# Altium PCB LimeSDR-XTRX_1v0.PcbDoc (part 5 of 8)
Units mm, origin at the board's own origin, x right, y up, seen from the top; angles counter-clockwise.
Board outline 50.8 x 29.7 mm, 8 copper layers (Top, L2, L3, L4, L5, L6, L7, Bottom), stack 0.925 mm thick; 538 components, 380 nets, 2137 pads, 896 vias.
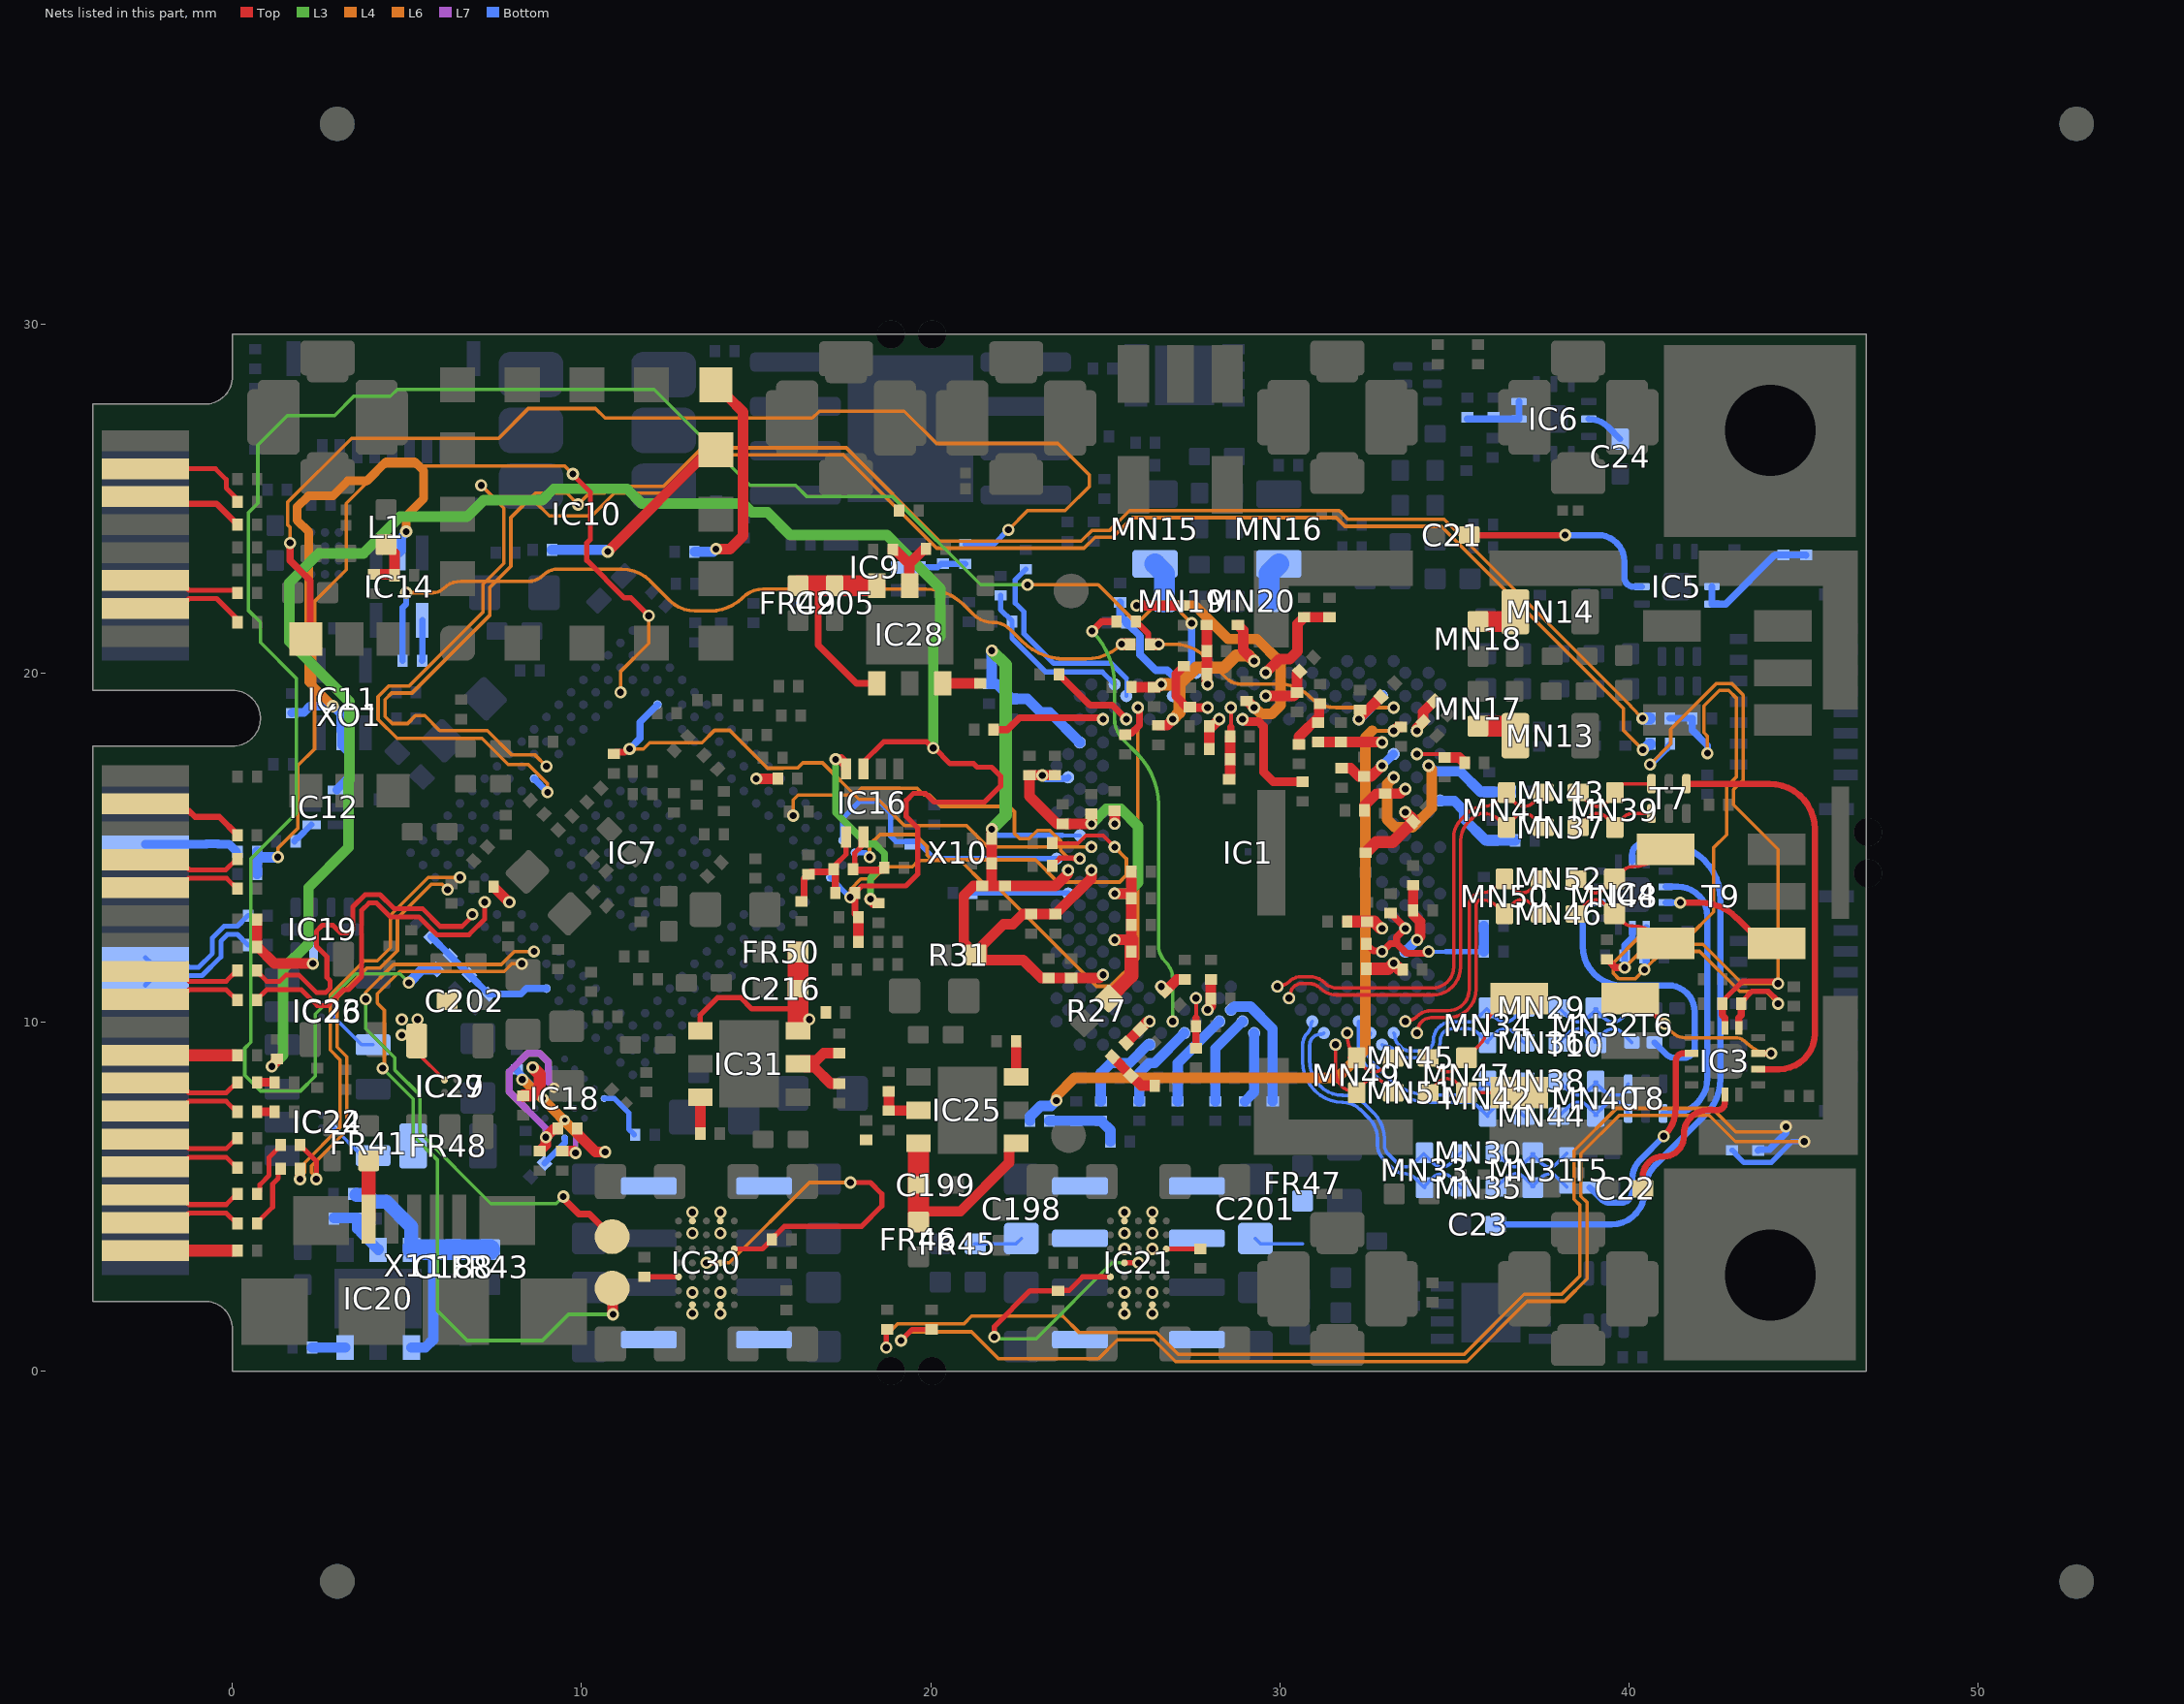
[diagram p11: the nets of this part, all layers, seen from the top]

## Via types
v1: diameter 0.35, hole 0.2, Top to Bottom, tented both sides, 748 vias
v2: diameter 0.35, hole 0.2, L5 to Bottom, tented both sides, 105 vias
v3: diameter 0.4, hole 0.2, Top to Bottom, tented both sides, 26 vias
v4: diameter 0.3, hole 0.15, L7 to Bottom, tented both sides, 13 vias
v5: diameter 0.5, hole 0.2, Top to Bottom, tented both sides, 4 vias

## Nets (pads, with @x,y where several pads share a name; then routed paths per layer and width w, separated by ;. In a path a pad name is that pad's centre, name@x,y a point inside that pad or via, vN(x,y) a via of type N, cw(c..) or ccw(c..) an arc to the next point about the centre after c; other vN are vias at no path point) (continued)
LMS_RESET: IC1.E27 IC7.U19 R6.1 | length 19.7
  Top w0.2: R6.1@25.575,18.23 25.625,18.28 25.755,18.28 25.978,18.503 25.978,18.86 25.965,18.873 25.965,18.979 v1(25.936,19.008)
  L6 w0.1: v2(17.696,13.571) 17.696,13.796 18,14.1 18.368,14.1 18.718,14.45 19.475,14.45 19.65,14.625 20.85,14.625 21.55,13.925 21.85,13.925 24.751,11.024 25.149,11.024 25.936,11.811 v1(25.936,19.008)
  Bottom w0.15: IC7.U19@17.124,14.143 v2(17.696,13.571)
LMS_RXEN: IC1.V34 IC7.W18 R8.1 | length 8
  Bottom w0.15: IC7.W18@17.477,15.204 17.477,15.827 17.975,16.325 18.525,16.325 18.85,16 18.85,15.325 19.01,15.165 19.622,15.165 20.108,14.679 IC1.V34@23.605,14.679
LMS_TSTAO: IC1.B22 R49.2 | length 59.7
  L3 w0.1: 0.825,26.625 0.725,26.525 0.725,24.86 0.45,24.585 0.45,21.8 0.8,21.45 0.8,20.875 1.825,19.85 1.825,15.975 0.525,14.675 0.525,9.425 0.35,9.25 0.35,8.475 0.8,8.025 1.95,8.025 2.375,8.45 2.375,10.225 3.525,11.375 4.8,11.375 v1(5.05,11.125) ; 0.825,26.625 1.575,27.375 2.925,27.375 3.475,27.925 4.525,27.925 4.725,28.125 12.075,28.125 14.825,25.375 16.133,25.375 16.458,25.05 18.907,25.05 21.432,22.525 v1(22.775,22.525)
  L6 w0.1: v1(22.775,22.525) 24.8,22.525 25.775,21.55 26.043,21.55 26.388,21.895 27.005,21.895 v2(27.475,21.425)
  Bottom w0.2: v2(27.475,21.425) 27.475,20.134 IC1.B22@27.601,20.007
  Bottom w0.3: v1(5.05,11.125) 5.427,11.502 R49.2@5.841,11.502
LMS_TX_CLK: IC1.E5 R1.1 R61.1 | length 8.4
  Top w0.18: R1.1@25.88,21.475 25.88,21.45 25.94,21.39 25.965,21.39 26.232,21.123 26.232,20.873 R61.1@26.28,20.825
  Top w0.35: R61.1@26.305,20.825 v1(26.53,20.825)
  L6 w0.1: v1(26.53,20.825) 26.971,20.825 cw(c26.971,19.547) 27.874,20.451 28.475,19.85 ccw(c28.88,20.255) 28.88,19.682 29.988,19.682 cw(c29.988,18.463) 30.85,19.325 ccw(c31.615,20.09) 31.615,19.008 v1(33.263,19.008)
LMS_TXEN: IC1.U29 IC7.W19 R7.1 | length 12.1
  Top w0.11: R7.1@23.48,15.15 R7.1@23.48,15.125 24.225,15.125 24.448,15.348 24.934,15.348 v1(25.27,15.012)
  L4 w0.11: v1(18.251,14.725) 18.251,15.076 18.55,15.375 19.55,15.375 19.9,15.025 19.9,14.781 20.031,14.65 23.003,14.65 23.637,14.016 25.407,14.016 25.6,14.209 25.6,14.682 v1(25.27,15.012)
  Bottom w0.15: IC7.W19@17.831,14.85 18.126,14.85 v1(18.251,14.725)
LMS_TXNRX1: IC1.V32 IC7.V15 R5.2 | length 11.3
  Top w0.15: R5.2@23.48,14.475 23.48,14.5 23.555,14.575 23.58,14.575 23.701,14.696 24.083,14.696 24.1,14.679 v1(24.271,14.679) v1@24.254,14.696
  L6 w0.1: v2(16.063,15.911) 16.063,16.363 16.2,16.5 17.809,16.5 18.009,16.7 19.61,16.7 19.81,16.5 19.975,16.5 20.3,16.175 22.25,16.175 22.4,16.025 22.4,15.4 22.55,15.25 22.818,15.25 23.059,15.491 23.416,15.491 23.731,15.176 23.731,14.907 23.959,14.679 v1(24.271,14.679)
LMS_TXNRX2: IC1.U31 IC7.U5 R15.2 | length 17.1
  Top w0.15: v1@24.587,15.029 v1(24.604,15.012)
  Top w0.2: R15.2@10.925,17.68 10.975,17.73 11.239,17.73 11.334,17.825 v1(11.375,17.825)
  L4 w0.1: v1(11.375,17.825) 11.775,17.825 11.95,18 13.45,18 13.807,18.357 14.243,18.357 15.328,17.272 15.763,17.272 15.766,17.275 16.19,17.275 16.34,17.425 16.9,17.425 17.95,16.375 18.5,16.375 19.25,15.625 21.025,15.625 21.638,15.012 v1(24.604,15.012)
  Bottom w0.2: v1(11.375,17.825) 11.675,18.125 11.675,18.594 IC7.U5@12.174,19.093
M0: IC7.V12 R42.2 | length 0.6
  Top w0.3: v1(15.002,16.971) R42.2@15.62,16.971
MGTRREF_216: IC7.C7 R40.2 | length 0.6
  Top w0.3: R40.2@7.48,13.875 7.48,13.85 7.505,13.85 7.919,13.436 v1(7.931,13.436)
NetC2_2: C2.2 IC1.C29 R10.1 | length 4.8
  Bottom w0.15: R10.1@22,22.22 22,21.817 22.33,21.487 C2.2@22.33,21.475 22.33,20.995 23.3,20.025 24.92,20.025 IC1.C29@25.27,19.674
NetC21_2: C21.2 IC5.2 | length 6
  Top w0.18: C21.2@35.425,23.95 v1(38.175,23.95)
  Bottom w0.18: v1(38.175,23.95) 39.109,23.95 cw(c39.109,23.184) 39.875,23.184 39.875,22.725 ccw(c40.125,22.725) 40.125,22.475 IC5.2@40.375,22.475
NetC22_2: C22.2 IC3.13 | length 4.2
  Top w0.18: C22.2@40.4,5.225 40.4,5.575 cw(c40.975,5.575) 40.975,6.15 41,6.15 ccw(c41,6.725) 41.575,6.725 41.575,6.787 cw(c42.262,6.787) 42.262,7.475 42.538,7.475 ccw(c42.538,7.687) 42.75,7.687 IC3.13@42.75,7.922
NetC23_2: C23.2 IC4.13 | length 17.8
  Bottom w0.18: C23.2@36.177,4.2 39.5,4.2 ccw(c39.5,5.15) 40.392,4.822 ccw(c39.5,5.15) 40.45,5.15 cw(c41.536,5.15) 40.768,5.918 42.2,7.35 ccw(c41.176,8.375) 42.625,8.375 42.625,13.514 ccw(c41.039,13.514) 41.039,15.1 40.375,15.1 ccw(c40.375,14.825) 40.1,14.825 IC4.13@40.1,14.603
NetC24_2: C24.2 IC6.2 | length 1.1
  Bottom w0.18: IC6.2@38.85,27.275 cw(c38.85,26.49) 39.405,27.045 C24.2@39.75,26.7
NetC27_1: C27.1 FR1.2 IC5.8 IC5.9 | length 3.8
  Bottom w0.2: IC5.8@42.375,22.475 IC5.9@42.375,21.975 42.775,21.975 44.18,23.38 C27.1@44.425,23.38 45.065,23.38 FR1.2@45.07,23.375
NetC28_1: C28.1 FR2.2 IC6.8 IC6.9 | length 2
  Bottom w0.2: FR2.2@35.375,27.275 IC6.8@36.85,27.275 IC6.9@36.85,27.775
NetC35_1: C35.1 C36.1 C42.1 C43.1 C44.1 C45.1 C46.1 C47.1 IC1.AA29 IC1.AE29 IC1.L33 IC1.R31 R27.2 | length 13.4
  Top w0.3: C43.1@23.564,17.069 C42.1@22.83,17.069 22.83,16.468 23.62,15.678 v1(24.604,15.678) C35.1@24.604,15.97 ; v1(25.27,13.68) 25.747,13.68 C46.1@25.747,14.31 ; v1@25.299,12.338 25.294,12.338 25.28,12.352 25.28,12.358 25.747,12.358 C44.1@25.747,12.785 C47.1@25.747,13.54
  Top w0.4: R27.2@25.1,10.675 25.747,11.322 C45.1@25.747,12.015 25.747,12.358
  L3 w0.3: v1(24.604,15.678) 25.029,16.103 25.447,16.103 25.942,15.607 25.942,13.992 25.63,13.68 v1(25.27,13.68)
  Bottom w0.2: v1(23.197,17.065) 23.294,16.968 23.79,16.968 23.804,16.981 23.91,16.981 IC1.L33@23.938,17.01
  other v1: 25.27,12.348
NetC37_1: C37.1 C38.1 C39.1 FR7.1 IC1.A17 IC1.C25 IC1.F24 | length 6.8
  Top w0.3: FR7.1@25.752,19.595 C39.1@26.397,19.595 26.51,19.595 26.589,19.674 v1(26.602,19.674) ; C37.1@26.524,18.501 26.774,18.501 26.935,18.662 v1(26.935,18.675) ; C38.1@28.8,21.375 28.95,21.225 28.95,20.657 v1(29.266,20.34)
  L4 w0.35: v1(26.602,19.674) 27.125,19.674 ; v1(26.935,18.675) 27.125,18.865 27.125,19.674 ; v1(29.266,20.34) 29.107,20.5 28.75,20.5 28.4,20.15 27.601,20.15 27.125,19.674
NetC40_2: C40.2 FR6.1 IC1.M4 | length 1.5
  Top w0.3: FR6.1@32.427,16.065 32.427,16.199 32.773,16.545 C40.2@33.022,16.545 33.45,16.545 33.582,16.677 v1(33.596,16.677)
NetC41_1: C41.1 FR5.1 IC1.AL21 | length 0.9
  Top w0.3: v1(27.934,10.35) 27.934,10.364 28.026,10.456 C41.1@28.026,10.675 FR5.1@28.025,11.22 FR5.1@28.025,11.22
NetC48_1: C48.1 IC1.G5 R28.1 | length 20.7
  Top w0.3: v1(33.263,18.342) 33.276,18.342 33.389,18.455 C48.1@33.475,18.455
  L4 w0.11: 32.658,18.342 v1(33.263,18.342)
  L4 w0.3: v1(23.6,7.75) 23.6,7.875 24.125,8.4 31.65,8.4 32.45,9.2 32.45,18.15 32.65,18.35
  Bottom w0.3: R28.1@22.84,7.171 22.84,7.289 23.146,7.596 23.446,7.596 v1(23.6,7.75)
NetC49_1: C49.1 FR10.1 IC1.P4 | length 2.1
  Top w0.35: FR10.1@32.484,14.875 32.759,15.15 33.232,15.15 C49.1@33.824,15.742 33.824,15.782 v1(33.596,16.011)
NetC50_1: C50.1 FR21.1 IC1.D6 IC1.F8 | length 1.8
  Top w0.3: v1(32.264,18.675) 32.264,18.681 FR21.1@32.899,19.317
  Bottom w0.3: v1(32.264,18.675) IC1.D6@32.93,19.341
NetC51_1: C51.1 FR20.1 IC1.B16 | length 2.9
  Top w0.3: v1(29.599,20.007) 29.992,20.4 30.288,20.4 30.509,20.621 30.509,21.404 C51.1@30.7,21.595 FR20.1@31.425,21.595
NetC52_1: C52.1 C53.1 FR19.1 IC1.E19 | length 2
  Top w0.11: 28.6,18.45 v1(28.6,19.008)
  Top w0.2: C52.1@28.6,18.155 28.6,18.18 28.6,18.45
  Top w0.3: FR19.1@28.575,17.055 28.575,17.628 C52.1@28.575,18.155
NetC54_2: C54.2 FR18.1 IC1.F20 | length 1
  Top w0.3: FR18.1@27.98,17.825 C54.2@27.98,18.475 28.067,18.475 v1(28.267,18.675)
NetC55_1: C55.1 FR17.1 IC1.AJ25 | length 0.7
  Top w0.3: C55.1@26.724,10.888 27.056,11.22 FR17.1@27.275,11.22
  other v1: 26.602,11.016
NetC56_1: C56.1 IC1.AP26 R29.1 | length 2.5
  Bottom w0.3: R29.1@24.875,7.73 C56.1@24.875,8.4 24.875,8.539 25.161,8.825 25.696,8.825 26.212,9.341 26.26,9.341 IC1.AP26@26.269,9.351
NetC57_1: C57.1 FR15.1 IC1.AN23 | length 2.6
  Bottom w0.3: FR15.1@25.97,7.73 25.975,7.73 C57.1@25.975,8.4 25.975,8.539 26.261,8.825 26.409,8.825 IC1.AN23@27.268,9.684
NetC58_1: C58.1 FR14.1 IC1.AM20 | length 2.8
  Bottom w0.3: FR14.1@27.075,7.73 C58.1@27.075,8.4 27.075,8.825 IC1.AM20@28.267,10.017
NetC59_1: C59.1 FR13.1 IC1.AL19 | length 3.6
  Bottom w0.3: IC1.AL19@28.6,10.35 28.614,10.35 28.706,10.442 29.158,10.442 29.795,9.805 C59.1@29.795,8.4 FR13.1@29.795,7.73
NetC60_1: C60.1 FR12.1 IC1.AG5 | length 1.1
  Top w0.35: FR12.1@32.53,11.525 33.105,11.525 v1(33.263,11.682) C60.1@33.445,11.5
NetC61_2: C61.2 FR11.1 IC1.AD6 | length 1.1
  Top w0.35: FR11.1@31.955,12.875 32.706,12.875 32.9,12.681 v1(32.93,12.681)
NetC62_1: C62.1 FR9.1 IC1.J3 | length 1.4
  Top w0.11: v1(33.929,17.676) 34.629,17.676 C62.1@34.63,17.675
  Top w0.3: C62.1@34.725,17.58 35.14,17.58 35.27,17.45 35.295,17.45 FR9.1@35.295,17.425
NetC63_2: C63.2 FR8.1 IC1.J5 IC1.K6 | length 1.9
  Top w0.3: FR8.1@31.772,17.27 32.03,17.27 32.265,17.035 C63.2@32.422,17.035 32.621,17.035 v1(32.93,17.343)
  Bottom w0.25: v1(32.93,17.343) IC1.J5@33.263,17.676
NetC64_2: C64.2 FR16.1 R28.2 R29.2 | length 2.2
  Bottom w0.3: R28.2@23.4,7.171 R28.2@23.425,7.171 ; R28.2@23.426,7.17 C64.2@24.175,7.17 R29.2@24.875,7.17 24.9,7.17 24.9,7.145 25.145,6.9 FR16.1@25.145,6.575
NetC65_1: C65.1 FR22.1 IC1.K2 IC1.L5 | length 6.8
  L4 w0.3: v1(33.263,17.01) 33.075,16.823 33.075,15.8 33.3,15.575 33.8,15.575 34.354,16.129 34.354,17.238 34.262,17.33 v1(34.262,17.343)
  Bottom w0.3: v1(34.262,17.343) 34.422,17.183 35.167,17.183 35.755,16.595 C65.1@36,16.595 FR22.1@36.625,16.595
NetC66_1: C66.1 C67.1 FR25.1 IC1.C21 | length 1.7
  Top w0.3: v1@27.909,19.674 C66.1@27.909,19.975 C67.1@27.909,20.625 FR25.1@27.909,21.375
  other v1: 27.934,19.674
NetC68_1: C68.1 C69.1 C70.1 FR24.1 IC1.AD4 IC1.AF2 IC1.AF6 | length 5.6
  Top w0.2: C68.1@32.477,12.24 32.477,12.215 32.527,12.165 32.552,12.165 32.68,12.037 32.907,12.037 v1(32.93,12.015) 33.165,12.25 33.35,12.25 ; C69.1@33.2,13.12 33.25,13.07 33.25,13.045 33.596,12.699 v1(33.596,12.681) 33.35,12.436 33.35,12.25 ; v1(34.262,12.015) 34.233,11.986 34.127,11.986 34.113,11.973 33.627,11.973 33.35,12.25
  Bottom w0.11: v1(34.262,12.015) 34.766,12.015
  Bottom w0.15: 34.766,12.015 C70.1@35.845,12.015
  Bottom w0.3: C70.1@35.845,12.015 FR24.1@35.845,12.75
NetC71_1: C71.1 FR23.1 IC1.AN17 | length 2.1
  Bottom w0.3: FR23.1@29,7.73 29.266,7.996 C71.1@29.266,8.4 IC1.AN17@29.266,9.684
NetC72_1: C72.1 IC1.D24 R30.1 | length 3.5
  Bottom w0.11: IC1.D24@26.935,19.341 26.935,19.915
  Bottom w0.22: R30.1@25.425,22.02 25.425,21.644 25.554,21.515 25.565,21.515 25.605,21.475 C72.1@25.605,21.45 25.605,21.425 25.645,21.385 25.67,21.385 26,21.055 26,20.525 26.45,20.075 26.775,20.075 26.935,19.915
NetC73_1: C73.1 C74.1 C75.1 C76.1 C77.1 C78.1 C79.1 C80.1 C81.1 C82.1 IC1.AH30 IC1.H32 IC1.T32 IC1.W31 IC1.W33 R31.2 | length 27.7
  Top w0.3: v1@21.746,15.525 C77.1@21.746,15.258 C78.1@21.746,14.541 21.746,13.9 ; v1(23.938,14.346) 23.929,14.336 23.929,14.245 23.584,13.9 C79.1@22.13,13.9 21.746,13.9 ; v1(24.604,14.346) 24.604,14.12 C73.1@23.575,13.091 C74.1@22.875,13.091 22.641,13.091 22.349,12.799 22.087,12.799 21.475,12.188 21.475,11.925 R31.2@21.3,11.925 ; v1(24.937,11.349) 24.924,11.349 24.832,11.257 C82.1@24.025,11.257 C81.1@23.375,11.257 23.168,11.257 22.65,11.775 21.45,11.775 R31.2@21.3,11.925 ; R31.2@21.3,11.925 20.95,12.275 20.95,13.625 21.225,13.9 C80.1@21.475,13.9 21.746,13.9
  L3 w0.35: v1(21.75,15.525) 22.15,15.925 22.15,20.239 v1(21.75,20.639)
  Bottom w0.11: 23.767,15.345 IC1.T32@24.271,15.345
  Bottom w0.15: v1(21.75,15.525) 21.93,15.345 23.767,15.345
  Bottom w0.3: v1(21.75,20.639) 21.75,19.755 C76.1@21.675,19.68 21.9,19.68 22.3,19.28 22.3,19.255 C75.1@22.325,19.255 22.77,19.255 23.15,18.875 23.406,18.875 IC1.H32@24.271,18.009
NetC83_1: C83.1 FR26.1 IC1.G3 | length 1.1
  Top w0.3: v1(33.929,18.342) 33.938,18.352 33.938,18.434 34.12,18.616 34.106,18.629 34.106,18.877 FR26.1@34.427,19.198
NetC84_1: C84.1 FR33.1 IC1.E21 | length 2
  Top w0.25: FR33.1@27.25,20.195 27.225,20.195 27.2,20.17 27.2,20.145 27.025,19.97 27.025,19.337 27.354,19.008 v1(27.934,19.008)
NetC85_1: C85.1 FR32.1 IC1.D16 | length 1.6
  Top w0.3: v1(29.599,19.341) 30.395,19.341 C85.1@30.495,19.441 30.495,19.975 FR32.1@30.57,20.05
NetC86_1: C86.1 FR31.1 IC1.E17 | length 8.6
  Top w0.3: v1(25.895,21.93) FR31.1@27.25,21.93 ; C86.1@29.05,19.195 29.075,19.195 29.262,19.008 v1(29.266,19.008)
  L4 w0.3: v1(25.895,21.93) 27.57,21.93 28.525,20.975 29.35,20.975 30.025,20.3 30.025,19.075 29.775,18.825 29.463,18.825 29.28,19.008 v1(29.266,19.008)
NetC87_1: C87.1 FR30.1 IC1.AK22 | length 1.4
  Top w0.11: 27.601,10.124 v1(27.601,10.683)
  Top w0.2: FR30.1@27.601,9.25 C87.1@27.601,9.875 27.601,10.124
NetC88_1: C88.1 FR29.1 IC1.AM18 | length 2.6
  Bottom w0.3: FR29.1@28.155,7.73 C88.1@28.155,8.4 28.155,9.239 IC1.AM18@28.933,10.017
NetC89_1: C89.1 FR28.2 IC1.AE3 IC1.AF4 | length 2.2
  Top w0.3: FR28.2@33.82,13.92 33.82,13.35 33.82,13.08 34.021,12.879 34.021,12.454 33.929,12.362 v1(33.929,12.348)
  Bottom w0.3: IC1.AF4@33.596,12.015 v1(33.929,12.348)
NetC90_1: C90.1 FR27.2 IC1.N1 | length 2.8
  Bottom w0.3: IC1.N1@34.595,16.344 34.606,16.333 34.997,16.333 35.279,16.051 35.279,15.821 35.895,15.205 C90.1@36.1,15.205 FR27.2@36.745,15.205
NetC91_1: C91.1 FR35.1 IC1.AM26 | length 0.9
  Top w0.3: FR35.1@25.598,9.398 26.207,10.007 26.26,10.007 v1(26.269,10.017)
NetC92_1: C92.1 FR34.2 IC1.H6 | length 1.9
  Top w0.3: FR34.2@31.075,18.02 31.725,18.02 32.905,18.02 32.916,18.009 v1(32.93,18.009)
NetC93_1: C93.1 FR35.2 R33.2 | length 1.6
  Top w0.3: FR35.2@25.202,9.002 C93.1@25.74,8.465 26.029,8.175 R33.2@26.42,8.175
NetC94_1: C94.1 FR34.1 R32.1 | length 1.4
  Top w0.3: C94.1@30.55,17.955 30.55,18.175 31.125,18.75 31.125,19.12 R32.1@31.15,19.12
NetC106_1: C106.1 IC7.A12 R47.1 R49.1 R50.1 | length 4
  Bottom w0.2: R47.1@5.689,12.446 R49.1@6.237,11.898 C106.1@6.785,11.35 R50.1@7.333,10.802 8.262,10.802 8.421,10.961 IC7.A12@8.992,10.961
NetC156_1: C156.1 L1.2 R57.1 | length 1.4
  Top w0.3: R57.1@4.175,22.83 4.645,22.83 4.645,23.43 L1.2@4.4,23.675
NetC157_1: C157.1 XO1.4 | length 34.2
  Top w0.2: v1(1.65,23.725) 1.65,23.221 2.071,22.8 ; XO1.4@1.892,21.283 XO1.4@2.2,20.975 ; 2.073,22.8 2.225,22.648 XO1.4@2.225,20.975
  L6 w0.1: v1(1.65,23.725) 1.65,24.175 1.575,24.25 1.575,24.89 3.41,26.725 7.625,26.725 8.475,27.575 10.4,27.575 10.675,27.3 16.608,27.3 16.808,27.5 19.242,27.5 20.167,26.575 23.642,26.575 24.55,25.667 24.55,25.35 23.85,24.65 22.775,24.65 v1(22.225,24.1)
  Bottom w0.15: C157.1@20.995,23.685 21.81,23.685 v1(22.225,24.1)
NetC157_2: C157.2 IC9.2 R56.1 | length 1.7
  Bottom w0.18: IC9.2@19.365,23.025 20.2,23.025 20.3,23.125 C157.2@20.995,23.125
NetC164_2: C164.2 IC12.1 | length 0.7
  Bottom w0.18: C164.2@1.78,15.175 1.78,15.2 1.84,15.26 1.865,15.26 IC12.1@2.259,15.654
NetC171_1: C171.1 IC14.4 | length 1.2
  Bottom w0.18: C171.1@5.43,20.35 5.435,20.355 IC14.4@5.435,21.51
NetC177_1: C177.1 IC16.7 R69.1 R71.1 R72.1 | length 55.2
  Top w0.15: R71.1@17.83,13.7 18.03,13.9 19.29,13.9 19.625,14.235 19.625,15.565 19.3,15.89 19.3,16.345 19.505,16.55 19.85,16.55 20.1,16.3 21.545,16.3 22,16.755 22,17.045 21.745,17.3 21.33,17.3 21.23,17.4 20.554,17.4 20.104,17.85 v1(20.075,17.85) 20.062,17.85 19.887,18.025 18.653,18.025 18.075,17.447 IC16.7@18.075,17.25
  Top w0.2: R71.1@17.83,13.7 17.83,13.1 C177.1@17.93,13
  Top w0.3: v1(1.125,8.725) 1.125,8.739 1.25,8.864 1.25,8.945 R69.1@1.275,8.945 ; R72.1@17.93,12.3 C177.1@17.93,13
  L3 w0.3: v1(1.125,8.725) 1.45,9.05 1.45,11.525 2.175,12.25 2.175,13.85 3.325,15 3.325,16.924 3.35,16.949 3.35,19.176 1.625,20.901 1.625,22.582 2.468,23.425 3.749,23.425 4.799,24.475 6.724,24.475 7.199,24.95 8.876,24.95 9.201,25.275 11.3,25.275 11.725,24.85 14.625,24.85 14.875,24.6 15.325,24.6 15.975,23.95 18.75,23.95 20.275,22.425 20.275,21.05 20.075,20.85 v1(20.075,17.85)
NetC179_1: C179.1 FR40.2 IC16.1 R67.1 R71.2 | length 3.4
  Top w0.15: R67.1@17.22,14.378 17.295,14.453 17.295,14.526 17.575,14.806 IC16.1@17.575,15.3
  Top w0.2: FR40.2@16.295,13.455 16.375,13.535 16.375,14.105 C179.1@16.5,14.23 16.573,14.303 17.17,14.303 R67.1@17.22,14.353 ; R67.1@17.22,14.378 R67.1@17.22,14.353 ; R71.2@17.27,13.7 17.27,14.303 R67.1@17.22,14.353
NetC184_1: C184.1 IC18.B1 IC18.D3 R79.1 | length 5.9
  Top w0.3: C184.1@8.8,6.301 8.975,6.476 v1(8.975,6.701) 9.199,6.925 9.32,6.925 R79.1@9.32,6.95
  L7 w0.2: v1(8.975,6.701) 8.975,6.956 7.925,8.006 7.925,8.575 7.963,8.613 8.45,9.1 8.8,9.1 9.05,8.85 9.05,8.275 v4(9.209,8.116)
  Bottom w0.18: v1(8.975,6.701) IC18.B1@9.234,6.96
NetC185_1: C185.1 IC18.B2 | length 1.5
  Top w0.3: C185.1@9.446,6.301 9.774,6.301 v1(9.825,6.25)
  L7 w0.15: v4(9.516,7.193) 9.825,6.884 v1(9.825,6.25)
NetC187_1: C187.1 FR42.2 IC19.8 | length 2.6
  Top w0.3: C187.1@0.705,12.175 FR42.2@0.705,12.939 ; C187.1@0.705,12.2 0.705,12.169 1.199,11.675 v1(2.3,11.675)
NetC188_2: C188.2 FR43.2 IC20.1 IC20.6 R103.1 | length 8
  Bottom w0.3: IC20.6@5.025,3.575 IC20.6@5.125,3.475 ; IC20.1@5.125,0.675 5.525,0.675 5.75,0.9 5.75,3.225
  Bottom w0.4: R103.1@3.55,5.05 3.85,5.05 4.05,4.85 4.403,4.85 5.125,4.128 IC20.6@5.125,3.475
  Bottom w0.6: IC20.6@5.175,3.475 5.75,3.475 C188.2@6.325,3.475 FR43.2@7.375,3.475
NetC194_2: C194.2 IC20.3 | length 0.9
  Bottom w0.3: C194.2@2.28,0.675 IC20.3@3.225,0.675
NetC197_1: C197.1 IC21.E1 | length 1
  Top w0.15: IC21.E1@26.75,3.5 C197.1@27.725,3.5
NetC198_2: C198.2 FR45.1 IC21.E4 L4.2 | length 1.4
  Bottom w0.1: FR45.1@21.25,3.65 22.45,3.65 C198.2@22.6,3.8
  other v1: 25.55,3.5
NetC199_2: C199.2 FR46.2 IC25.1 IC25.6 R106.1 | length 6
  Top w0.3: FR46.2@19.675,4.575 20.85,4.575 22.25,5.975 22.25,6.325 IC25.1@22.45,6.525
  Top w0.6: FR46.2@19.65,4.275 C199.2@19.65,5.325 IC25.6@19.65,6.45
NetC201_2: C201.2 FR47.1 IC21.E2 L5.2 | length 1.4
  Bottom w0.1: C201.2@29.3,3.8 29.45,3.65 30.65,3.65
  other v1: 26.35,3.5
NetC202_2: C202.2 FR48.1 IC22.A2 IC23.A2 IC24.5 IC26.5 IC27.A2 IC29.5 | length 4.4
  Top w0.1: IC29.5@5.275,9.462 5.275,9.138 IC27.A2@6.075,8.337
  Bottom w0.1: IC22.A2@2.9,6.975 3.7,6.175 IC24.5@4.025,6.175 ; IC23.A2@2.9,10.15 3.7,9.35 IC26.5@4.025,9.35
  other v1: 4.85,9.625 4.85,10.075 5.3,10.075
NetC204_2: C204.2 IC25.3 | length 0.9
  Top w0.3: IC25.3@22.45,8.425 C204.2@22.45,9.37
NetC205_2: C205.2 FR49.2 IC28.1 IC28.6 R112.1 | length 6.1
  Top w0.2: 16.775,22.5 16.775,20.8 17.875,19.7 IC28.1@18.45,19.7
  Top w0.6: FR49.2@16.2,22.5 16.775,22.5 C205.2@17.25,22.5 ; C205.2@17.2,22.5 IC28.6@18.4,22.5
NetC210_2: C210.2 IC28.3 | length 0.9
  Top w0.3: IC28.3@20.35,19.7 C210.2@21.295,19.7
NetC214_1: C214.1 IC30.E1 | length 1
  Top w0.15: C214.1@11.8,2.7 IC30.E1@12.775,2.7
NetC216_2: C216.2 FR50.2 IC31.1 IC31.6 R115.1 | length 5.6
  Top w0.15: IC31.1@13.4,9.75 13.4,10.2 13.9,10.7 14.55,10.7 14.875,10.375 16.05,10.375
  Top w0.6: IC31.6@16.2,9.825 C216.2@16.2,10.95 FR50.2@16.2,12
  other v1: 16.525,10.075
NetC219_2: C219.2 IC31.3 | length 0.9
  Top w0.3: C219.2@13.4,6.905 IC31.3@13.4,7.85
NetFR36_2: FR36.2 IC10.9 | length 6.2
  Top w0.3: v1(13.85,23.55) 14.25,23.55 14.625,23.925 14.625,27.474 14.199,27.9 14.175,27.9 13.85,28.225 IC10.9@13.85,28.25
  Bottom w0.3: FR36.2@13.25,23.47 13.77,23.47 v1(13.85,23.55)